# Altium PCB DIO_MCX_Isolated_mezzanine.PCBDOC (part 2 of 3) (continued)
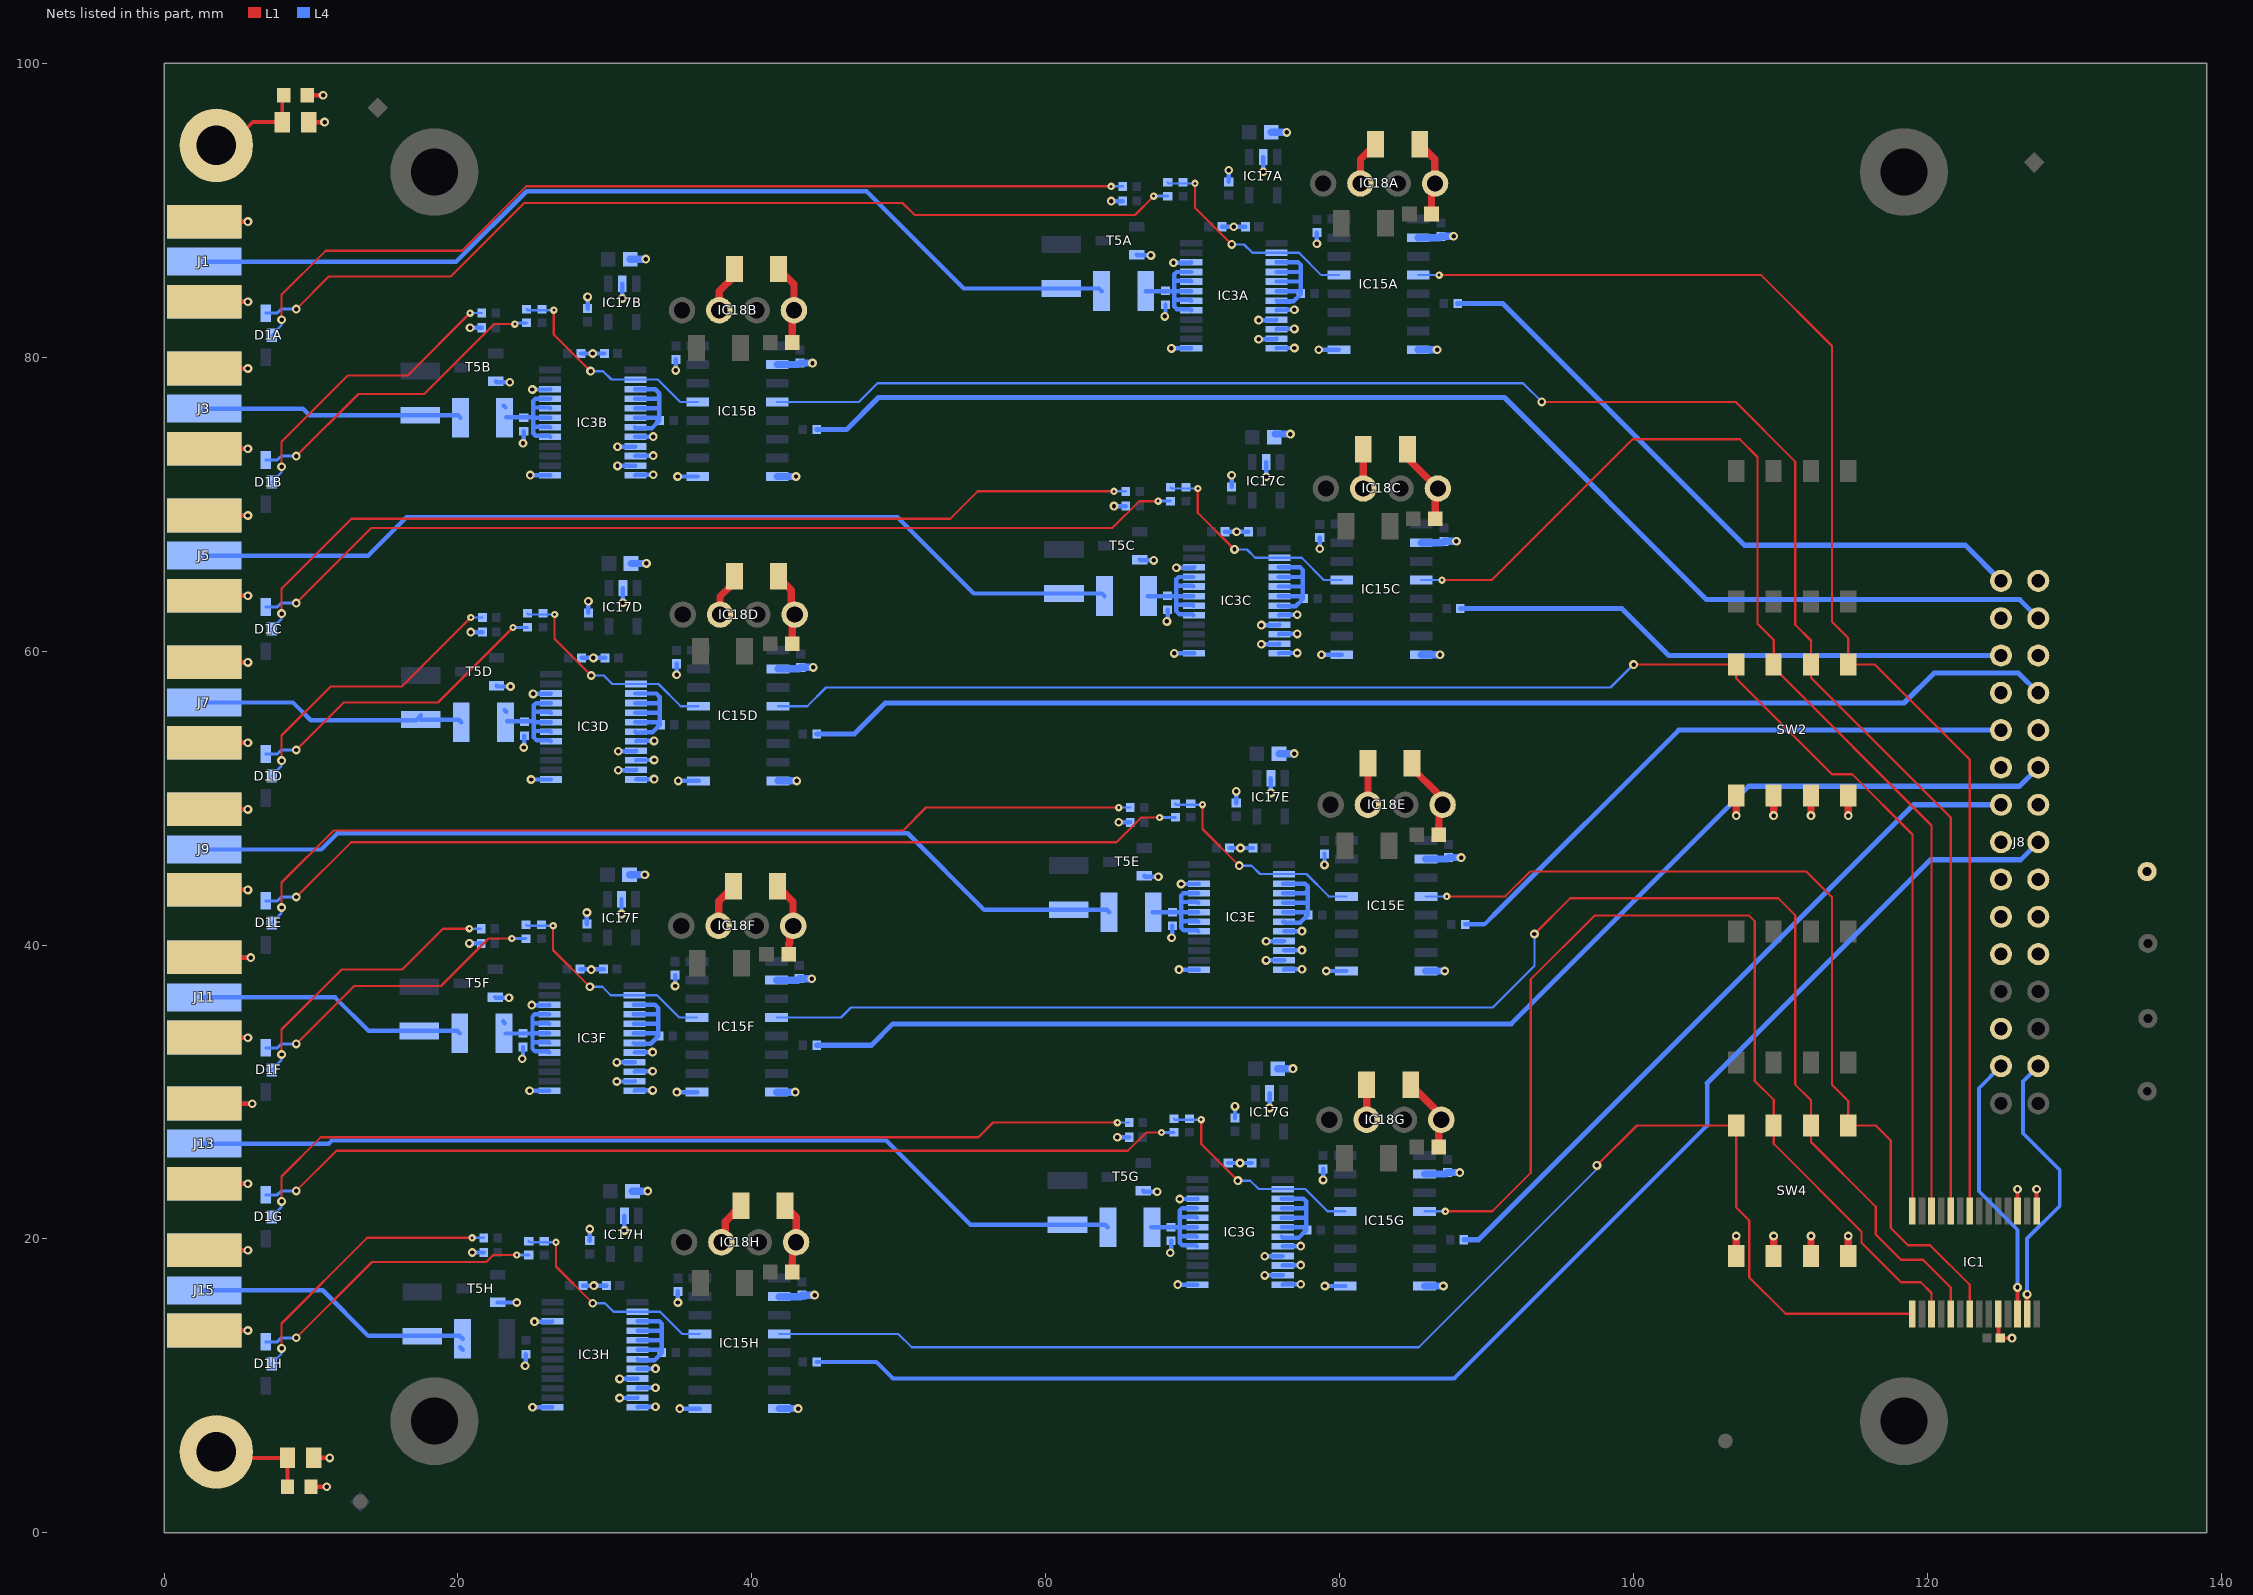
[diagram p4: the nets of this part, all layers, seen from the top]
## Nets (pads, with @x,y where several pads share a name; then routed paths per layer and width w, separated by ;. In a path a pad name is that pad's centre, name@x,y a point inside that pad or via, vN(x,y) a via of type N, cw(c..) or ccw(c..) an arc to the next point about the centre after c; other vN are vias at no path point)
DIR1: IC1.22 IC15A.4 SW2.1 | length 94
  L1 w0.152: v2(86.77,85.585) 108.684,85.585 113.5,80.769 113.5,62 114.61,60.89 SW2.1@114.61,59.085 116.415,59.085 122.875,52.625 IC1.22@122.875,21.9
  L4 w0.152: IC15A.4@85.35,85.585 v2(86.77,85.585)
DIR3: IC1.24 IC15B.4 SW2.2 | length 127.4
  L1 w0.152: v1(93.75,76.96) 106.93,76.96 111,72.89 111,61.79 112.07,60.72 SW2.2@112.07,59.085 112.07,58.18 121.575,48.675 IC1.24@121.575,21.9
  L4 w0.152: IC15B.4@41.725,76.96 47.285,76.96 48.555,78.23 92.48,78.23 v1(93.75,76.96)
DIR5: IC1.26 IC15C.4 SW2.3 | length 83.6
  L1 w0.152: v2(86.965,64.83) 90.33,64.83 99.92,74.42 107.22,74.42 108.425,73.215 108.425,61.865 109.53,60.76 SW2.3@109.53,59.085 109.53,58.885 120.275,48.14 IC1.26@120.275,21.9
  L4 w0.152: IC15C.4@85.545,64.83 v2(86.965,64.83)
DIR7: IC1.28 IC15D.4 SW2.4 | length 109.3
  L1 w0.152: v1(100,59.085) SW2.4@106.99,59.085 106.99,58.135 113.505,51.62 114.88,51.62 118.975,47.525 IC1.28@118.975,21.9
  L4 w0.152: IC15D.4@41.775,56.25 43.77,56.25 45.04,57.52 98.435,57.52 v1(100,59.085)
DIR9: IC1.7 IC15E.4 SW4.1 | length 63.3
  L1 w0.152: v2(87.284,43.31) 91.27,43.31 92.96,45 111.75,45 113.5,43.25 113.5,30.49 114.61,29.38 SW4.1@114.61,27.725 116.475,27.725 117.5,26.7 117.5,20.75 118.674,19.576 120.174,19.576 122.875,16.875 IC1.7@122.875,14.9
  L4 w0.152: IC15E.4@85.864,43.31 v2(87.284,43.31)
DIR11: IC1.5 IC15F.4 SW4.2 | length 106.8
  L1 w0.152: v1(93.25,40.75) 95.69,43.19 109.84,43.19 111,42.03 111,30.5 112.07,29.43 SW4.2@112.07,27.725 112.07,26.595 116.475,22.19 116.475,20.3 118.2,18.576 119.699,18.576 121.575,16.7 IC1.5@121.575,14.9
  L4 w0.152: IC15F.4@41.675,35.07 46.07,35.07 46.75,35.75 90.41,35.75 93.25,38.59 v1(93.25,40.75)
DIR13: IC1.3 IC15G.4 SW4.3 | length 71.2
  L1 w0.152: v2(87.195,21.875) 90.375,21.875 93,24.5 93,37.666 97.334,42 107.875,42 108.25,41.625 108.25,30.75 109.53,29.47 SW4.3@109.53,27.725 109.53,26.47 115.5,20.5 115.5,19.75 118.199,17.051 119.549,17.051 120.275,16.325 IC1.3@120.275,14.9
  L4 w0.152: IC15G.4@85.775,21.875 v2(87.195,21.875)
DIR15: IC1.1 IC15H.4 SW4.4 | length 94.7
  L1 w0.152: v1(97.5,25) 100.225,27.725 SW4.4@106.99,27.725 106.99,22.135 107.875,21.25 107.875,17.375 110.35,14.9 IC1.1@118.975,14.9
  L4 w0.152: IC15H.4@41.87,13.536 49.964,13.536 50.874,12.626 85.376,12.626 97.5,24.75 v1(97.5,25)
DIR_ISOA: IC3A.2 IC15A.13 R61A.1 R69A.1 | length 15.2
  L1 w0.152: v2(70.15,91.825) 70.15,90.175 v1(72.65,87.675)
  L4 w0.152: R69A.1@68.3,91.895 68.37,91.825 v2(70.15,91.825) ; v1(72.65,87.675) 73.493,87.675 74.068,87.1 IC3A.2@75.7,87.1 77.225,87.1 78.74,85.585 IC15A.13@79.95,85.585
DIR_ISOB: IC3B.2 IC15B.13 R61B.1 R69B.1 | length 15.2
  L1 w0.152: v2(26.525,83.2) 26.525,81.55 v1(29.025,79.05)
  L4 w0.152: R69B.1@24.675,83.27 24.745,83.2 v2(26.525,83.2) ; v1(29.025,79.05) 29.868,79.05 30.443,78.475 IC3B.2@32.075,78.475 33.6,78.475 35.115,76.96 IC15B.13@36.325,76.96
DIR_ISOC: IC3C.2 IC15C.13 R61C.1 R69C.1 | length 15.2
  L1 w0.152: v2(70.345,71.07) 70.345,69.42 v1(72.845,66.92)
  L4 w0.152: R69C.1@68.495,71.14 68.565,71.07 v2(70.345,71.07) ; v1(72.845,66.92) 73.688,66.92 74.263,66.345 IC3C.2@75.895,66.345 77.42,66.345 78.935,64.83 IC15C.13@80.145,64.83
DIR_ISOD: IC3D.2 IC15D.13 R61D.1 R69D.1 | length 15.2
  L1 w0.152: v2(26.575,62.49) 26.575,60.84 v1(29.075,58.34)
  L4 w0.152: R69D.1@24.725,62.56 24.795,62.49 v2(26.575,62.49) ; v1(29.075,58.34) 29.918,58.34 30.493,57.765 IC3D.2@32.125,57.765 33.65,57.765 35.165,56.25 IC15D.13@36.375,56.25
DIR_ISOE: IC3E.2 IC15E.13 R61E.1 R69E.1 | length 15.2
  L1 w0.152: v2(70.665,49.55) 70.665,47.9 v1(73.165,45.4)
  L4 w0.152: R69E.1@68.815,49.62 68.885,49.55 v2(70.665,49.55) ; v1(73.165,45.4) 74.007,45.4 74.582,44.825 IC3E.2@76.215,44.825 77.74,44.825 79.255,43.31 IC15E.13@80.464,43.31
DIR_ISOF: IC3F.2 IC15F.13 R61F.1 R69F.1 | length 15.2
  L1 w0.152: v2(26.475,41.31) 26.475,39.66 v1(28.975,37.16)
  L4 w0.152: R69F.1@24.625,41.38 24.695,41.31 v2(26.475,41.31) ; v1(28.975,37.16) 29.818,37.16 30.393,36.585 IC3F.2@32.025,36.585 33.55,36.585 35.065,35.07 IC15F.13@36.275,35.07
DIR_ISOG: IC3G.2 IC15G.13 R61G.1 R69G.1 | length 15.2
  L1 w0.152: v2(70.575,28.115) 70.575,26.465 v1(73.075,23.965)
  L4 w0.152: R69G.1@68.725,28.185 68.795,28.115 v2(70.575,28.115) ; v1(73.075,23.965) 73.918,23.965 74.493,23.39 IC3G.2@76.125,23.39 77.65,23.39 79.165,21.875 IC15G.13@80.375,21.875
DIR_ISOH: IC3H.2 IC15H.13 R61H.1 R69H.1 | length 15.2
  L1 w0.152: v2(26.67,19.776) 26.67,18.126 v1(29.17,15.626)
  L4 w0.152: R69H.1@24.82,19.846 24.89,19.776 v2(26.67,19.776) ; v1(29.17,15.626) 30.013,15.626 30.588,15.051 IC3H.2@32.22,15.051 33.745,15.051 35.26,13.536 IC15H.13@36.47,13.536
GND: B4.1 C1.1 C3A.1 C3B.1 C3C.1 C3D.1 C3E.1 C3F.1 C3G.1 C3H.1 C5A.2 C5B.2 C5C.2 C5D.2 C5E.2 C5F.2 C5G.2 C5H.2 C21.2 C22.2 C33A.1 C33B.1 C33C.1 C33D.1 C33E.1 C33F.1 C33G.1 C33H.1 IC1.10 IC1.15 IC1.17 IC15A.2 IC15A.8 IC15B.2 IC15B.8 IC15C.2 IC15C.8 IC15D.2 IC15D.8 IC15E.2 IC15E.8 IC15F.2 IC15F.8 IC15G.2 IC15G.8 IC15H.2 IC15H.8 IC18A.1 IC18B.1 IC18C.1 IC18D.1 IC18E.1 IC18F.1 IC18G.1 IC18H.1 J8.6 J8.9 J8.10 J8.11 J8.12 J8.13 J8.14 J8.16 J8.17 J8.20 J8.21 J8.24 J8.25 J8.28 J8.29 R60.1 R61.1 SW2.5 SW2.6 SW2.7 SW2.8 SW4.5 SW4.6 SW4.7 SW4.8 | length 93.5
  L1 w0.254: IC1.10@124.825,14.9 124.825,13.375 C1.1@124.95,13.25 v1(125.75,13.25) ; IC1.17@126.125,21.9 v1(126.125,23.375) ; IC1.15@127.425,21.9 v1(127.425,23.375)
  L1 w0.3: R61.1@9.75,97.82 v1(10.825,97.82) ; C22.2@9.85,96 v1(10.925,96) ; R60.1@10,3.132 v1(11.075,3.132) ; C21.2@10.2,5.1 v1(11.275,5.1)
  L1 w0.5: C5F.2@41.75,44 42.795,42.955 42.795,41.325 IC18F.1@42.815,41.305 42.566,41.056 42.566,40.146 42.5,40.08 C3F.1@42.5,39.38 ; C5D.2@41.825,65 42.69,64.135 42.69,62.71 IC18D.1@42.915,62.485 42.75,62.32 C3D.1@42.75,60.5 ; C5B.2@41.825,86 42.865,84.96 IC18B.1@42.865,83.195 42.75,83.08 C3B.1@42.75,81 ; C5H.2@42.25,22.25 43.01,21.49 IC18H.1@43.01,19.771 42.761,19.522 42.761,18.461 42.75,18.45 C3H.1@42.75,17.75 ; C5C.2@84.605,73.75 84.605,73.145 IC18C.1@86.685,71.065 86.5,70.88 C3C.1@86.5,69 ; C5G.2@84.835,30.5 86.915,28.42 IC18G.1@86.915,28.11 86.75,27.945 C3G.1@86.75,26.25 ; C5E.2@84.925,52.37 84.925,52.045 86.756,50.214 86.756,49.794 IC18E.1@87.005,49.545 86.756,49.296 86.756,48.206 86.75,48.2 C3E.1@86.75,47.5 ; C5A.2@85.45,94.5 86.48,93.47 86.48,91.83 IC18A.1@86.49,91.82 86.25,91.58 C3A.1@86.25,89.75 ; SW4.5@106.99,18.825 v1(106.99,20.2) ; v1(106.99,48.81) SW2.5@106.99,50.185 ; SW4.6@109.53,18.825 v1(109.53,20.2) ; v1(109.53,48.81) SW2.6@109.53,50.185 ; SW4.7@112.07,18.825 v1(112.07,20.2) ; v1(112.07,48.81) SW2.7@112.07,50.185 ; SW4.8@114.61,18.825 v1(114.61,20.2) ; v1(114.61,48.81) SW2.8@114.61,50.185
  L4 w0.5: IC15F.8@41.675,29.99 v1(42.955,29.99) ; IC15F.2@41.675,37.61 43.125,37.61 C33F.1@43.225,37.71 v1@44.125,37.71 ; IC15B.8@41.725,71.88 v1(43.005,71.88) ; IC15B.2@41.725,79.5 43.175,79.5 C33B.1@43.275,79.6 v1@44.175,79.6 ; IC15D.8@41.775,51.17 v1(43.055,51.17) ; IC15D.2@41.775,58.79 43.225,58.79 C33D.1@43.325,58.89 v1@44.225,58.89 ; IC15H.8@41.87,8.456 v1(43.15,8.456) ; IC15H.2@41.87,16.076 43.32,16.076 C33H.1@43.42,16.176 v1@44.32,16.176 ; IC15A.8@85.35,80.505 v1(86.63,80.505) ; IC15A.2@85.35,88.125 86.8,88.125 C33A.1@86.9,88.225 v1@87.8,88.225 ; IC15C.8@85.545,59.75 v1(86.825,59.75) ; IC15C.2@85.545,67.37 86.995,67.37 C33C.1@87.095,67.47 v1@87.995,67.47 ; IC15G.8@85.775,16.795 v1(87.055,16.795) ; IC15G.2@85.775,24.415 87.225,24.415 C33G.1@87.325,24.515 v1@88.225,24.515 ; IC15E.8@85.864,38.23 v1(87.145,38.23) ; IC15E.2@85.864,45.85 87.315,45.85 C33E.1@87.415,45.95 v1@88.315,45.95
  other v1: 44.27,16.176 88.175,24.515 44.075,37.71 88.265,45.95 44.175,58.89 87.945,67.47 44.125,79.6 87.75,88.225
GND_ISO1: C2A.1 C5A.1 C31A.1 C32A.1 C34A.1 C36A.1 IC3A.8 IC3A.9 IC3A.10 IC3A.11 IC3A.12 IC3A.13 IC3A.22 IC15A.9 IC17A.2 IC18A.3 J1.2 R65A.1 R67A.1 T5A.2 | length 32.9
  L1 w0.3: J1.2@2.74,83.769 v1(5.704,83.769) ; J1.2@2.74,89.23 v1(5.704,89.23)
  L1 w0.5: IC18A.3@81.45,91.78 IC18A.3@81.41,91.82 81.42,91.83 81.42,93.47 C5A.1@82.45,94.5
  L4 w0.3: J1.2@2.74,83.769 v1(5.704,83.769) ; J1.2@2.74,89.23 v1(5.704,89.23) ; v1(64.45,90.625) R67A.1@65.245,90.625 ; T5A.2@66.2,86.975 66.25,86.925 v1(67.15,86.925) ; v1(68.1,82.775) 68.15,82.825 R65A.1@68.15,83.575 ; v1(68.55,80.6) IC3A.13@69.9,80.6 ; v1(68.691,86.425) 69.875,86.425 IC3A.22@69.9,86.45 ; C31A.1@71.99,88.875 C32A.1@73.59,88.875 ; C34A.1@72.45,91.934 v1(72.45,92.725) ; v1(74.48,81.225) 75.675,81.225 IC3A.11@75.7,81.25 ; v1(74.48,82.525) 75.675,82.525 IC3A.9@75.7,82.55 ; v1(74.802,92.625) IC17A.2@74.802,93.625 ; IC3A.12@75.7,80.6 75.725,80.625 v1(76.92,80.625) ; IC3A.10@75.7,81.9 75.725,81.925 v1(76.92,81.925) ; IC3A.8@75.7,83.2 75.725,83.225 v1(76.92,83.225) ; v1(78.45,87.725) C36A.1@78.45,88.475 ; v1(78.57,80.505) IC15A.9@79.95,80.505
  L4 w0.5: C2A.1@75.352,95.3 v1(76.4,95.3)
  other v1: 72.79,88.875
GND_ISO3: C2B.1 C5B.1 C31B.1 C32B.1 C34B.1 C36B.1 IC3B.8 IC3B.9 IC3B.10 IC3B.11 IC3B.12 IC3B.13 IC3B.22 IC15B.9 IC17B.2 IC18B.3 J3.2 R65B.1 R67B.1 T5B.2 | length 33
  L1 w0.3: J3.2@2.74,73.769 v1(5.704,73.769) ; J3.2@2.74,79.23 v1(5.704,79.23)
  L1 w0.5: IC18B.3@37.825,83.155 IC18B.3@37.785,83.195 37.785,84.5 38.825,85.54 C5B.1@38.825,86
  L4 w0.3: J3.2@2.74,73.769 v1(5.704,73.769) ; J3.2@2.74,79.23 v1(5.704,79.23) ; v1(20.825,82) R67B.1@21.62,82 ; T5B.2@22.575,78.35 22.625,78.3 v1(23.525,78.3) ; v1(24.425,74.15) 24.475,74.2 R65B.1@24.475,74.95 ; v1(24.925,71.975) IC3B.13@26.275,71.975 ; v1(25.066,77.8) 26.25,77.8 IC3B.22@26.275,77.825 ; C31B.1@28.365,80.25 C32B.1@29.965,80.25 ; C34B.1@28.825,83.309 v1(28.825,84.1) ; v1(30.855,72.6) 32.05,72.6 IC3B.11@32.075,72.625 ; v1(30.855,73.9) 32.05,73.9 IC3B.9@32.075,73.925 ; v1(31.177,84) IC17B.2@31.177,85 ; IC3B.12@32.075,71.975 32.1,72 v1(33.295,72) ; IC3B.10@32.075,73.275 32.1,73.3 v1(33.295,73.3) ; IC3B.8@32.075,74.575 32.1,74.6 v1(33.295,74.6) ; v1(34.825,79.1) C36B.1@34.825,79.85 ; v1(34.945,71.88) IC15B.9@36.325,71.88
  L4 w0.5: C2B.1@31.727,86.675 v1(32.775,86.675)
  other v1: 29.17,80.25
GND_ISO5: C2C.1 C5C.1 C31C.1 C32C.1 C34C.1 C36C.1 IC3C.8 IC3C.9 IC3C.10 IC3C.11 IC3C.12 IC3C.13 IC3C.22 IC15C.9 IC17C.2 IC18C.3 J5.2 R65C.1 R67C.1 T5C.2 | length 32.5
  L1 w0.3: J5.2@2.74,63.769 v1(5.704,63.769) ; J5.2@2.74,69.23 v1(5.704,69.23)
  L1 w0.5: C5C.1@81.605,73.75 IC18C.3@81.605,71.065 IC18C.3@81.645,71.025
  L4 w0.3: J5.2@2.74,63.769 v1(5.704,63.769) ; J5.2@2.74,69.23 v1(5.704,69.23) ; v1(64.645,69.87) R67C.1@65.44,69.87 ; T5C.2@66.395,66.22 66.445,66.17 v1(67.345,66.17) ; v1(68.245,62.02) 68.295,62.07 R65C.1@68.295,62.82 ; v1(68.745,59.845) IC3C.13@70.095,59.845 ; v1(68.886,65.67) 70.07,65.67 IC3C.22@70.095,65.695 ; C31C.1@72.185,68.12 C32C.1@73.785,68.12 ; C34C.1@72.645,71.179 v1(72.645,71.97) ; v1(74.675,60.47) 75.87,60.47 IC3C.11@75.895,60.495 ; v1(74.675,61.77) 75.87,61.77 IC3C.9@75.895,61.795 ; v1(74.997,71.87) IC17C.2@74.997,72.87 ; IC3C.12@75.895,59.845 75.92,59.87 v1(77.115,59.87) ; IC3C.10@75.895,61.145 75.92,61.17 v1(77.115,61.17) ; IC3C.8@75.895,62.445 75.92,62.47 v1(77.115,62.47) ; v1(78.645,66.97) C36C.1@78.645,67.72 ; v1(78.765,59.75) IC15C.9@80.145,59.75
  L4 w0.5: C2C.1@75.597,74.77 v1(76.645,74.77)
  other v1: 72.985,68.12
GND_ISO7: C2D.1 C5D.1 C31D.1 C32D.1 C34D.1 C36D.1 IC3D.8 IC3D.9 IC3D.10 IC3D.11 IC3D.12 IC3D.13 IC3D.22 IC15D.9 IC17D.2 IC18D.3 J7.2 R65D.1 R67D.1 T5D.2 | length 32.7
  L1 w0.3: J7.2@2.74,53.769 v1(5.704,53.769) ; J7.2@2.74,59.23 v1(5.704,59.23)
  L1 w0.5: IC18D.3@37.875,62.445 IC18D.3@37.835,62.485 37.835,63.72 38.825,64.71 C5D.1@38.825,65
  L4 w0.3: J7.2@2.74,53.769 v1(5.704,53.769) ; J7.2@2.74,59.23 v1(5.704,59.23) ; v1(20.875,61.29) R67D.1@21.67,61.29 ; T5D.2@22.625,57.64 22.675,57.59 v1(23.575,57.59) ; v1(24.475,53.44) 24.525,53.49 R65D.1@24.525,54.24 ; v1(24.975,51.265) IC3D.13@26.325,51.265 ; v1(25.116,57.09) 26.3,57.09 IC3D.22@26.325,57.115 ; C31D.1@28.415,59.54 C32D.1@30.015,59.54 ; C34D.1@28.875,62.599 v1(28.875,63.39) ; v1(30.905,51.89) 32.1,51.89 IC3D.11@32.125,51.915 ; v1(30.905,53.19) 32.1,53.19 IC3D.9@32.125,53.215 ; v1(31.227,63.29) IC17D.2@31.227,64.29 ; IC3D.12@32.125,51.265 32.15,51.29 v1(33.345,51.29) ; IC3D.10@32.125,52.565 32.15,52.59 v1(33.345,52.59) ; IC3D.8@32.125,53.865 32.15,53.89 v1(33.345,53.89) ; v1(34.875,58.39) C36D.1@34.875,59.14 ; v1(34.995,51.17) IC15D.9@36.375,51.17
  L4 w0.5: C2D.1@31.777,65.965 v1(32.825,65.965)
  other v1: 29.215,59.54
GND_ISO9: C2E.1 C5E.1 C31E.1 C32E.1 C34E.1 C36E.1 IC3E.8 IC3E.9 IC3E.10 IC3E.11 IC3E.12 IC3E.13 IC3E.22 IC15E.9 IC17E.2 IC18E.3 J9.2 R65E.1 R67E.1 T5E.2 | length 33
  L1 w0.3: J9.2@2.55,43.769 2.569,43.75 v1(5.704,43.75) ; J9.2@2.74,49.23 v1(5.704,49.23)
  L1 w0.5: C5E.1@81.925,52.37 IC18E.3@81.925,49.545 IC18E.3@81.965,49.505
  L4 w0.3: J9.2@2.55,43.769 2.569,43.75 v1(5.704,43.75) ; J9.2@2.74,49.23 v1(5.704,49.23) ; v1(64.965,48.35) R67E.1@65.76,48.35 ; T5E.2@66.715,44.7 66.765,44.65 v1(67.665,44.65) ; v1(68.565,40.5) 68.615,40.55 R65E.1@68.615,41.3 ; v1(69.065,38.325) IC3E.13@70.415,38.325 ; v1(69.206,44.15) 70.39,44.15 IC3E.22@70.415,44.175 ; C31E.1@72.505,46.6 C32E.1@74.105,46.6 ; C34E.1@72.965,49.659 v1(72.965,50.45) ; v1(74.995,38.95) 76.19,38.95 IC3E.11@76.215,38.975 ; v1(74.995,40.25) 76.19,40.25 IC3E.9@76.215,40.275 ; v1(75.317,50.35) IC17E.2@75.317,51.35 ; IC3E.12@76.215,38.325 76.24,38.35 v1(77.435,38.35) ; IC3E.10@76.215,39.625 76.24,39.65 v1(77.435,39.65) ; IC3E.8@76.215,40.925 76.24,40.95 v1(77.435,40.95) ; v1(78.965,45.45) C36E.1@78.965,46.2 ; v1(79.085,38.23) IC15E.9@80.464,38.23
  L4 w0.5: C2E.1@75.867,53.025 v1(76.915,53.025)
  other v1: 73.25,46.6
GND_ISO11: C2F.1 C5F.1 C31F.1 C32F.1 C34F.1 C36F.1 IC3F.8 IC3F.9 IC3F.10 IC3F.11 IC3F.12 IC3F.13 IC3F.22 IC15F.9 IC17F.2 IC18F.3 J11.2 R65F.1 R67F.1 T5F.2 | length 33.7
  L1 w0.3: J11.2@2.55,33.705 2.569,33.685 v1(5.704,33.685) ; J11.2@2.74,39.166 2.76,39.146 v1(5.894,39.146)
  L1 w0.5: IC18F.3@37.775,41.265 IC18F.3@37.735,41.305 37.735,42.985 C5F.1@38.75,44
  L4 w0.3: J11.2@2.55,33.705 2.569,33.685 v1(5.704,33.685) ; J11.2@2.74,39.166 2.76,39.146 v1(5.894,39.146) ; v1(20.775,40.11) R67F.1@21.57,40.11 ; T5F.2@22.525,36.46 22.575,36.41 v1(23.475,36.41) ; v1(24.375,32.26) 24.425,32.31 R65F.1@24.425,33.06 ; v1(24.875,30.085) IC3F.13@26.225,30.085 ; v1(25.016,35.91) 26.2,35.91 IC3F.22@26.225,35.935 ; C31F.1@28.315,38.36 C32F.1@29.915,38.36 ; C34F.1@28.775,41.419 v1(28.775,42.21) ; v1(30.805,30.71) 32,30.71 IC3F.11@32.025,30.735 ; v1(30.805,32.01) 32,32.01 IC3F.9@32.025,32.035 ; v1(31.127,42.11) IC17F.2@31.127,43.11 ; IC3F.12@32.025,30.085 32.05,30.11 v1(33.245,30.11) ; IC3F.10@32.025,31.385 32.05,31.41 v1(33.245,31.41) ; IC3F.8@32.025,32.685 32.05,32.71 v1(33.245,32.71) ; v1(34.775,37.21) C36F.1@34.775,37.96 ; v1(34.895,29.99) IC15F.9@36.275,29.99
  L4 w0.5: C2F.1@31.677,44.785 v1(32.725,44.785)
  other v1: 29.075,38.325
GND_ISO13: C2G.1 C5G.1 C31G.1 C32G.1 C34G.1 C36G.1 IC3G.8 IC3G.9 IC3G.10 IC3G.11 IC3G.12 IC3G.13 IC3G.22 IC15G.9 IC17G.2 IC18G.3 J13.2 R65G.1 R67G.1 T5G.2 | length 33.5
  L1 w0.3: J13.2@2.55,23.755 2.555,23.75 v1(5.704,23.75) ; J13.2@2.55,29.216 2.566,29.2 v1(6,29.2)
  L1 w0.5: C5G.1@81.835,30.5 IC18G.3@81.835,28.11 IC18G.3@81.875,28.07
  L4 w0.3: J13.2@2.55,23.755 2.555,23.75 v1(5.704,23.75) ; J13.2@2.55,29.216 2.566,29.2 v1(6,29.2) ; v1(64.875,26.915) R67G.1@65.671,26.915 ; T5G.2@66.625,23.265 66.675,23.215 v1(67.575,23.215) ; v1(68.475,19.065) 68.525,19.115 R65G.1@68.525,19.865 ; v1(68.975,16.89) IC3G.13@70.325,16.89 ; v1(69.116,22.715) 70.3,22.715 IC3G.22@70.325,22.74 ; C31G.1@72.415,25.165 C32G.1@74.015,25.165 ; C34G.1@72.875,28.224 v1(72.875,29.015) ; v1(74.905,17.515) 76.1,17.515 IC3G.11@76.125,17.54 ; v1(74.905,18.815) 76.1,18.815 IC3G.9@76.125,18.84 ; v1(75.227,28.915) IC17G.2@75.227,29.915 ; IC3G.12@76.125,16.89 76.15,16.915 v1(77.345,16.915) ; IC3G.10@76.125,18.19 76.15,18.215 v1(77.345,18.215) ; IC3G.8@76.125,19.49 76.15,19.515 v1(77.345,19.515) ; v1(78.875,24.015) C36G.1@78.875,24.765 ; v1(78.995,16.795) IC15G.9@80.375,16.795
  L4 w0.5: C2G.1@75.777,31.59 v1(76.825,31.59)
  other v1: 73.215,25.165
GND_ISO15: C2H.1 C5H.1 C31H.1 C32H.1 C34H.1 C36H.1 IC3H.8 IC3H.9 IC3H.10 IC3H.11 IC3H.12 IC3H.13 IC3H.22 IC15H.9 IC17H.2 IC18H.3 J15.2 R65H.1 R67H.1 T5H.2 | length 33.1
  L1 w0.3: J15.2@2.74,13.769 v1(5.704,13.769) ; J15.2@2.74,19.23 v1(5.704,19.23)
  L1 w0.5: IC18H.3@37.97,19.731 IC18H.3@37.93,19.771 38.179,20.019 38.179,21.179 C5H.1@39.25,22.25
  L4 w0.3: J15.2@2.74,13.769 v1(5.704,13.769) ; J15.2@2.74,19.23 v1(5.704,19.23) ; v1(20.97,19.076) R67H.1@21.765,19.076 ; T5H.2@22.72,15.676 v1(24,15.676) ; v1(24.57,11.364) 24.62,11.414 R65H.1@24.62,12.164 ; v1(25.07,8.551) IC3H.13@26.42,8.551 ; v1(25.211,14.376) 26.395,14.376 IC3H.22@26.42,14.401 ; C31H.1@28.51,16.826 C32H.1@30.11,16.826 ; C34H.1@28.97,19.885 v1(28.97,20.676) ; v1(31,9.176) 32.195,9.176 IC3H.11@32.22,9.201 ; v1(31,10.476) 32.195,10.476 IC3H.9@32.22,10.501 ; v1(31.322,20.576) IC17H.2@31.322,21.576 ; IC3H.12@32.22,8.551 32.245,8.576 v1(33.44,8.576) ; IC3H.10@32.22,9.851 32.245,9.876 v1(33.44,9.876) ; IC3H.8@32.22,11.151 32.245,11.176 v1(33.44,11.176) ; v1(34.97,15.676) C36H.1@34.97,16.426 ; v1(35.09,8.456) IC15H.9@36.47,8.456
  L4 w0.5: C2H.1@31.872,23.251 v1(32.92,23.251)
  other v1: 29.25,16.826
I2C0_SCL: IC1.12 J8.4 | length 18.6
  L1 w0.254: IC1.12@126.125,14.9 v1(126.125,16.7)
  L4 w0.254: J8.4@125,31.76 123.5,30.26 123.5,23.25 126.125,20.625 v1(126.125,16.7)
I2C0_SDA: IC1.13 J8.3 | length 19.2
  L1 w0.254: IC1.13@126.775,14.9 v1(126.775,16.225)
  L4 w0.254: v1(126.775,16.225) 126.775,20.025 129,22.25 129,24.692 126.5,27.192 126.5,30.72 J8.3@127.54,31.76
IO1: J8.30 R1A.2 | length 44.8
  L4 w0.35: R1A.2@88.025,83.655 91.095,83.655 107.55,67.2 122.58,67.2 J8.30@125,64.78
IO3: J8.27 R1B.2 | length 90.3
  L4 w0.35: R1B.2@44.4,75.07 46.44,75.07 48.62,77.25 91.21,77.25 104.96,63.5 126.28,63.5 J8.27@127.54,62.24
IO5: J8.26 R1C.2 | length 38.1
  L4 w0.35: R1C.2@88.22,62.9 99.199,62.9 102.4,59.7 J8.26@125,59.7
IO7: J8.23 R1D.2 | length 85.4
  L4 w0.35: R1D.2@44.4,54.36 46.97,54.36 49.075,56.465 118.4,56.465 120.435,58.5 126.2,58.5 J8.23@127.54,57.16
IO9: J8.22 R1E.2 | length 41.9
  L4 w0.3: R1E.2@88.54,41.4 89.85,41.4 90.49,42.04
  L4 w0.35: 90.49,42.04 103.07,54.62 J8.22@125,54.62
IO11: J8.19 R1F.2 | length 91
  L4 w0.35: R1F.2@44.4,33.18 48.137,33.18 49.592,34.635 91.675,34.635 107.84,50.8 126.26,50.8 J8.19@127.54,52.08
IO13: J8.18 R1G.2 | length 48.8
  L4 w0.35: R1G.2@88.45,19.945 89.445,19.945 119.04,49.54 J8.18@125,49.54
IO15: J8.15 R1H.2 | length 100.4
  L4 w0.3: R1H.2@44.4,11.626 48.474,11.626 49.6,10.5 87.785,10.5 105,27.715 105,30.6
  L4 w0.35: 105,30.6 120.2,45.8 126.34,45.8 J8.15@127.54,47
IO_CON3: J3.1 R62B.1 R64B.2 | length 17.7
  L4 w0.3: J3.1@2.74,76.5 9.45,76.5 9.9,76.05 R64B.2@17.425,76.05 20,76.05 R62B.1@20.175,75.875
IO_CON5: J5.1 R62C.1 R64C.2 | length 64.5
  L4 w0.3: J5.1@2.74,66.5 13.9,66.5 16.5,69.1 49.912,69.1 55.092,63.92 R64C.2@61.245,63.92 63.82,63.92 R62C.1@63.995,63.745
IO_CON7: J7.1 R62D.1 R64D.2 | length 18.2
  L4 w0.3: J7.1@2.74,56.5 8.775,56.5 9.975,55.3 17.15,55.3 R64D.2@17.475,55.625 ; R64D.2@17.475,55.34 20.05,55.34 R62D.1@20.225,55.165
IO_CON9: J9.1 R62E.1 R64E.2 | length 64.3
  L4 w0.3: J9.1@2.74,46.5 10.705,46.5 11.805,47.6 50.6,47.6 55.8,42.4 R64E.2@61.565,42.4 64.14,42.4 R62E.1@64.315,42.225
IO_CON10: J1.1 R62A.1 R64A.2 | length 65.9
  L4 w0.3: J1.1@2.74,86.5 19.875,86.5 24.675,91.3 47.8,91.3 54.425,84.675 R64A.2@61.05,84.675 63.625,84.675 R62A.1@63.8,84.5
IO_CON11: J11.1 R62F.1 R64F.2 | length 18.4
  L4 w0.3: J11.1@2.74,36.435 11.64,36.435 13.915,34.16 R64F.2@17.375,34.16 19.95,34.16 R62F.1@20.125,33.985
IO_CON13: J13.1 R62G.1 R64G.2 | length 64.2
  L4 w0.3: J13.1@2.55,26.485 11.21,26.485 11.425,26.7 49.146,26.7 54.881,20.965 R64G.2@61.475,20.965 64.05,20.965 R62G.1@64.225,20.79
IO_CON15: J15.1 R62H.1 R64H.2 | length 19.2
  L4 w0.3: J15.1@2.74,16.5 10.8,16.5 13.9,13.4 20.121,13.4 R62H.1@20.32,13.201 ; R62H.1@20.145,12.626 R62H.1@20.32,12.451
LEDAA: D1A.1 R66A.2 | length 63.3
  L1 w0.152: v1(8,82.55) 8,84.25 11,87.25 20.27,87.25 24.645,91.625 v2(64.45,91.625)
  L4 w0.152: D1A.1@7.321,81.5 8,82.179 v1(8,82.55) ; v2(64.45,91.625) R66A.2@65.245,91.625
LEDAB: D1B.1 R66B.2 | length 20.3
  L1 w0.152: v1(8,72.55) 8,74.25 12.5,78.75 16.575,78.75 v2(20.825,83)
  L4 w0.152: D1B.1@7.321,71.5 8,72.179 v1(8,72.55) ; v2(20.825,83) R66B.2@21.62,83
LEDAC: D1C.1 R66C.2 | length 63.2
  L1 w0.152: v1(8,62.55) 8,64.25 12.75,69 53.5,69 55.37,70.87 v2(64.645,70.87)
  L4 w0.152: D1C.1@7.321,61.5 8,62.179 v1(8,62.55) ; v2(64.645,70.87) R66C.2@65.44,70.87
LEDAD: D1D.1 R66D.2 | length 20
  L1 w0.152: v1(8,52.55) 8,54.25 11.34,57.59 16.175,57.59 v2(20.875,62.29)
  L4 w0.152: D1D.1@7.321,51.5 8,52.179 v1(8,52.55) ; v2(20.875,62.29) R66D.2@21.67,62.29
LEDAE: D1E.1 R66E.2 | length 62.9
  L1 w0.152: v1(8,42.55) 8,44.25 11.55,47.8 50.3,47.8 51.85,49.35 v2(64.965,49.35)
  L4 w0.152: D1E.1@7.321,41.5 8,42.179 v1(8,42.55) ; v2(64.965,49.35) R66E.2@65.76,49.35
LEDAF: D1F.1 R66F.2 | length 19.4
  L1 w0.152: v1(8,32.55) 8,34.25 12.075,38.325 16.195,38.325 18.98,41.11 v2(20.775,41.11)
  L4 w0.152: D1F.1@7.321,31.5 8,32.179 v1(8,32.55) ; v2(20.775,41.11) R66F.2@21.57,41.11
LEDAG: D1G.1 R66G.2 | length 62.2
  L1 w0.152: v1(8,22.55) 8,24.25 10.665,26.915 55.415,26.915 56.415,27.915 v2(64.875,27.915)
  L4 w0.152: D1G.1@7.321,21.5 8,22.179 v1(8,22.55) ; v2(64.875,27.915) R66G.2@65.671,27.915
LEDAH: D1H.1 R66H.2 | length 19.2
  L1 w0.152: v1(8,12.55) 8,14.25 13.826,20.076 v2(20.97,20.076)
  L4 w0.152: D1H.1@7.321,11.5 8,12.179 v1(8,12.55) ; v2(20.97,20.076) R66H.2@21.765,20.076
NetB15_1: B15.1 C21.1 R60.2 | length 7
  L1 w0.254: B15.1@3.556,5.512 3.968,5.1 C21.1@8.4,5.1 R60.2@8.4,3.132
NetB16_1: B16.1 C22.1 R61.2 | length 7
  L1 w0.254: B16.1@3.556,94.412 4.454,94.412 6.042,96 C22.1@8.05,96 8.05,97.72 R61.2@8.15,97.82
NetD1A_3: D1A.3 R69A.2 | length 65.4
  L1 w0.152: v1(9,83.27) 11.23,85.5 19.52,85.5 24.52,90.5 50.25,90.5 51.075,89.675 66.065,89.675 v2(67.345,90.955)
  L4 w0.2: D1A.3@6.921,83 7.705,83 7.975,83.27 v1(9,83.27) ; v2(67.345,90.955) R69A.2@68.3,90.955
NetD1B_3: D1B.3 R69B.2 | length 21.6
  L1 w0.152: v1(9,73.27) 13.23,77.5 17.7,77.5 22.45,82.25 v2(23.875,82.25)
  L4 w0.2: D1B.3@6.921,73 7.705,73 7.975,73.27 v1(9,73.27) ; v2(23.875,82.25) 23.952,82.327 24.162,82.327 24.165,82.33 R69B.2@24.675,82.33
NetD1C_3: D1C.3 R69C.2 | length 64.6
  L1 w0.152: v1(9,63.27) 14.1,68.37 64.53,68.37 66.36,70.2 v2(67.645,70.2)
  L4 w0.2: D1C.3@6.921,63 7.705,63 7.975,63.27 v1(9,63.27) ; v2(67.645,70.2) R69C.2@68.495,70.2
NetD1D_3: D1D.3 R69D.2 | length 21.4
  L1 w0.152: v1(9,53.27) 12.23,56.5 18.64,56.5 v2(23.75,61.61)
  L4 w0.2: D1D.3@6.921,53 7.705,53 7.975,53.27 v1(9,53.27) ; v2(23.75,61.61) 23.76,61.62 R69D.2@24.725,61.62
NetD1E_3: D1E.3 R69E.2 | length 64.2
  L1 w0.152: v1(9,43.27) 12.73,47 64.82,47 66.5,48.68 v2(67.75,48.68)
  L4 w0.2: D1E.3@6.921,43 7.705,43 7.975,43.27 v1(9,43.27) ; v2(67.75,48.68) R69E.2@68.815,48.68
NetD1F_3: D1F.3 R69F.2 | length 20.8
  L1 w0.152: v1(9,33.27) 12.94,37.21 18.85,37.21 22.08,40.44 v2(23.67,40.44)
  L4 w0.2: D1F.3@6.921,33 7.705,33 7.975,33.27 v1(9,33.27) ; v2(23.67,40.44) R69F.2@24.625,40.44
NetD1G_3: D1G.3 R69G.2 | length 63.6
  L1 w0.152: v1(9,23.27) 11.73,26 65.585,26 66.83,27.245 v2(67.875,27.245)
  L4 w0.2: D1G.3@6.921,23 7.705,23 7.975,23.27 v1(9,23.27) ; v2(67.875,27.245) R69G.2@68.725,27.245
NetD1H_3: D1H.3 R69H.2 | length 20.3
  L1 w0.152: v1(9,13.27) 14.156,18.426 21.926,18.426 22.406,18.906 v2(24,18.906)
  L4 w0.2: D1H.3@6.921,13 7.705,13 7.975,13.27 v1(9,13.27) ; v2(24,18.906) R69H.2@24.82,18.906
NetIC3A_3: IC3A.3 IC3A.4 IC3A.5 IC3A.6 IC3A.7 R63A.1 | length 11.5
  L4 w0.3: IC3A.7@75.7,83.85 IC3A.7@75.748,83.802 ; IC3A.6@75.7,84.5 77.185,84.5 77.2,84.485 R63A.1@77.22,84.485 ; IC3A.5@75.7,85.15 77.352,85.15 77.36,85.142 ; IC3A.4@75.7,85.8 77.201,85.8 77.36,85.959 ; IC3A.3@75.7,86.45 77.184,86.45 77.36,86.274 77.36,85.959 ; IC3A.7@75.748,83.802 76.681,83.802 ; IC3A.7@75.748,83.802 75.764,83.786 76.665,83.786 76.681,83.802 ; 76.681,83.802 76.857,83.802 77.36,84.305 R63A.1@77.36,84.325 77.36,85.142 ; 77.36,85.142 77.36,85.959
NetIC3A_17: IC3A.17 IC3A.18 IC3A.19 IC3A.20 IC3A.21 R62A.2 R65A.2 | length 10.1
  L4 w0.3: R62A.2@66.8,84.5 68.745,84.5 ; IC3A.17@69.9,83.2 69.825,83.275 68.925,83.275 68.745,83.455 68.745,83.9 ; IC3A.18@69.9,83.85 69.85,83.9 68.745,83.9 ; IC3A.19@69.9,84.5 68.745,84.5 ; IC3A.20@69.9,85.15 69.85,85.2 68.745,85.2 ; IC3A.21@69.9,85.8 68.9,85.8 68.745,85.645 68.745,85.2 ; 68.745,83.9 68.745,84.5 ; 68.745,84.5 68.745,85.2
NetIC3B_3: IC3B.3 IC3B.4 IC3B.5 IC3B.6 IC3B.7 R63B.1 | length 10.5
  L4 w0.3: IC3B.7@32.045,75.225 32.109,75.16 33.01,75.16 33.026,75.177 33.202,75.177 33.705,75.68 33.705,76.517 ; IC3B.6@32.045,75.875 IC3B.6@32.075,75.875 33.53,75.875 33.545,75.86 R63B.1@33.565,75.86 ; IC3B.5@32.045,76.525 IC3B.5@32.075,76.525 33.697,76.525 33.705,76.517 ; IC3B.4@32.045,77.175 IC3B.4@32.075,77.175 33.546,77.175 33.705,77.334 ; IC3B.3@32.045,77.825 IC3B.3@32.075,77.825 33.43,77.825 33.705,77.55 33.705,77.334 ; 33.705,76.517 33.705,77.334
NetIC3B_17: IC3B.17 IC3B.18 IC3B.19 IC3B.20 IC3B.21 R62B.2 R65B.2 | length 10.2
  L4 w0.3: R62B.2@23.12,76.69 R62B.2@23.235,76.575 ; R62B.2@23.29,75.902 25.175,75.902 ; IC3B.17@26.275,74.575 26.2,74.65 25.3,74.65 25.12,74.83 25.12,75.275 ; IC3B.18@26.275,75.225 26.225,75.275 25.12,75.275 ; IC3B.19@26.275,75.875 25.12,75.875 ; IC3B.20@26.275,76.525 26.225,76.575 25.12,76.575 ; IC3B.21@26.275,77.175 25.275,77.175 25.12,77.02 25.12,76.575 ; 25.12,75.275 25.12,75.875 ; 25.12,75.875 25.12,76.575
NetIC3C_3: IC3C.3 IC3C.4 IC3C.5 IC3C.6 IC3C.7 R63C.1 | length 10.5
  L4 w0.3: IC3C.7@75.84,63.095 IC3C.7@75.867,63.068 ; IC3C.6@75.84,63.745 77.325,63.745 77.34,63.73 R63C.1@77.36,63.73 ; IC3C.5@75.84,64.395 77.492,64.395 77.5,64.387 ; IC3C.4@75.84,65.045 77.341,65.045 77.5,65.204 ; IC3C.3@75.84,65.695 77.324,65.695 77.5,65.519 77.5,65.204 ; IC3C.7@75.895,63.095 75.943,63.047 76.997,63.047 77.5,63.55 77.5,64.387 ; 77.5,64.387 77.5,65.204
NetIC3C_17: IC3C.17 IC3C.18 IC3C.19 IC3C.20 IC3C.21 R62C.2 R65C.2 | length 10.1
  L4 w0.3: R62C.2@66.945,63.745 68.89,63.745 ; IC3C.17@70.045,62.445 69.97,62.52 69.07,62.52 68.89,62.7 68.89,63.145 ; IC3C.18@70.045,63.095 69.995,63.145 68.89,63.145 ; IC3C.19@70.045,63.745 68.89,63.745 ; IC3C.20@70.045,64.395 69.995,64.445 68.89,64.445 ; IC3C.21@70.045,65.045 69.045,65.045 68.89,64.89 68.89,64.445 ; 68.89,63.145 68.89,63.745 ; 68.89,63.745 68.89,64.445
NetIC3D_3: IC3D.3 IC3D.4 IC3D.5 IC3D.6 IC3D.7 R63D.1 | length 10.5
  L4 w0.3: IC3D.7@32.07,54.515 32.135,54.45 32.7,54.45 32.716,54.467 33.227,54.467 33.73,54.97 33.73,55.807 ; IC3D.6@32.07,55.165 33.555,55.165 33.57,55.15 R63D.1@33.59,55.15 ; IC3D.5@32.07,55.815 33.722,55.815 33.73,55.807 ; IC3D.4@32.07,56.465 33.571,56.465 33.73,56.624 ; IC3D.3@32.07,57.115 33.49,57.115 33.73,56.875 33.73,56.624 ; 33.73,55.807 33.73,56.624
NetIC3D_17: IC3D.17 IC3D.18 IC3D.19 IC3D.20 IC3D.21 R62D.2 R65D.2 | length 10.2
  L4 w0.3: R62D.2@23.17,55.98 R62D.2@23.285,55.865 ; R62D.2@23.34,55.217 25.225,55.217 ; IC3D.17@26.325,53.865 26.25,53.94 25.35,53.94 25.17,54.12 25.17,54.565 ; IC3D.18@26.325,54.515 26.275,54.565 25.17,54.565 ; IC3D.19@26.325,55.165 25.17,55.165 ; IC3D.20@26.325,55.815 26.275,55.865 25.17,55.865 ; IC3D.21@26.325,56.465 25.325,56.465 25.17,56.31 25.17,55.865 ; 25.17,54.565 25.17,55.165 ; 25.17,55.165 25.17,55.865
NetIC3E_3: IC3E.3 IC3E.4 IC3E.5 IC3E.6 IC3E.7 R63E.1 | length 10.5
  L4 w0.3: IC3E.7@76.16,41.575 IC3E.7@76.187,41.548 ; IC3E.6@76.16,42.225 77.645,42.225 77.66,42.21 R63E.1@77.68,42.21 ; IC3E.5@76.16,42.875 77.812,42.875 77.82,42.867 ; IC3E.4@76.16,43.525 77.66,43.525 77.82,43.684 ; IC3E.3@76.16,44.175 77.644,44.175 77.82,43.999 77.82,43.684 ; IC3E.7@76.215,41.575 76.263,41.527 77.317,41.527 77.82,42.03 77.82,42.867 ; 77.82,42.867 77.82,43.684
NetIC3E_17: IC3E.17 IC3E.18 IC3E.19 IC3E.20 IC3E.21 R62E.2 R65E.2 | length 10.1
  L4 w0.3: R62E.2@67.265,42.225 69.209,42.225 ; IC3E.17@70.365,40.925 70.29,41 69.39,41 69.209,41.18 69.209,41.625 ; IC3E.18@70.365,41.575 70.315,41.625 69.209,41.625 ; IC3E.19@70.365,42.225 69.209,42.225 ; IC3E.20@70.365,42.875 70.315,42.925 69.209,42.925 ; IC3E.21@70.365,43.525 69.365,43.525 69.209,43.37 69.209,42.925 ; 69.209,41.625 69.209,42.225 ; 69.209,42.225 69.209,42.925
NetIC3F_3: IC3F.3 IC3F.4 IC3F.5 IC3F.6 IC3F.7 R63F.1 | length 10.5
  L4 w0.3: IC3F.7@31.97,33.335 32.035,33.27 32.485,33.27 32.501,33.287 33.127,33.287 33.63,33.79 33.63,34.627 ; IC3F.6@31.97,33.985 33.455,33.985 33.47,33.97 R63F.1@33.49,33.97 ; IC3F.5@31.97,34.635 33.622,34.635 33.63,34.627 ; IC3F.4@31.97,35.285 33.471,35.285 33.63,35.444 ; IC3F.3@31.97,35.935 33.405,35.935 33.63,35.71 33.63,35.444 ; 33.63,34.627 33.63,35.444
NetIC3F_17: IC3F.17 IC3F.18 IC3F.19 IC3F.20 IC3F.21 R62F.2 R65F.2 | length 10.2
  L4 w0.3: R62F.2@23.07,34.8 R62F.2@23.185,34.685 ; R62F.2@23.24,33.982 25.125,33.982 ; IC3F.17@26.225,32.685 26.15,32.76 25.25,32.76 25.07,32.94 25.07,33.385 ; IC3F.18@26.225,33.335 26.175,33.385 25.07,33.385 ; IC3F.19@26.225,33.985 25.07,33.985 ; IC3F.20@26.225,34.635 26.175,34.685 25.07,34.685 ; IC3F.21@26.225,35.285 25.225,35.285 25.07,35.13 25.07,34.685 ; 25.07,33.385 25.07,33.985 ; 25.07,33.985 25.07,34.685
NetIC3G_3: IC3G.3 IC3G.4 IC3G.5 IC3G.6 IC3G.7 R63G.1 | length 10.5
  L4 w0.3: IC3G.7@76.07,20.14 76.135,20.075 77.035,20.075 77.051,20.092 77.227,20.092 77.73,20.595 77.73,21.432 ; IC3G.6@76.07,20.79 77.555,20.79 77.57,20.775 R63G.1@77.59,20.775 ; IC3G.5@76.07,21.44 77.722,21.44 77.73,21.432 ; IC3G.4@76.07,22.09 77.571,22.09 77.73,22.249 ; IC3G.3@76.07,22.74 77.54,22.74 77.73,22.549 77.73,22.249 ; 77.73,21.432 77.73,22.249
NetIC3G_17: IC3G.17 IC3G.18 IC3G.19 IC3G.20 IC3G.21 R62G.2 R65G.2 | length 10.1
  L4 w0.3: R62G.2@67.175,20.79 69.12,20.79 ; IC3G.17@70.275,19.49 70.2,19.565 69.3,19.565 69.12,19.745 69.12,20.19 ; IC3G.18@70.275,20.14 70.225,20.19 69.12,20.19 ; IC3G.19@70.275,20.79 69.12,20.79 ; IC3G.20@70.275,21.44 70.225,21.49 69.12,21.49 ; IC3G.21@70.275,22.09 69.275,22.09 69.12,21.935 69.12,21.49 ; 69.12,20.19 69.12,20.79 ; 69.12,20.79 69.12,21.49
NetIC3H_3: IC3H.3 IC3H.4 IC3H.5 IC3H.6 IC3H.7 R63H.1 | length 10.5
  L4 w0.3: IC3H.7@32.22,11.801 32.268,11.753 33.377,11.753 33.88,12.256 R63H.1@33.88,12.276 33.88,13.093 ; IC3H.6@32.22,12.451 33.705,12.451 33.72,12.436 R63H.1@33.74,12.436 ; IC3H.5@32.22,13.101 33.872,13.101 33.88,13.093 ; IC3H.4@32.22,13.751 33.721,13.751 33.88,13.91 ; IC3H.3@32.22,14.401 33.704,14.401 33.88,14.225 33.88,13.91 ; 33.88,13.093 33.88,13.91